# KiCad board 2000ATX.kicad_pcb (continued)
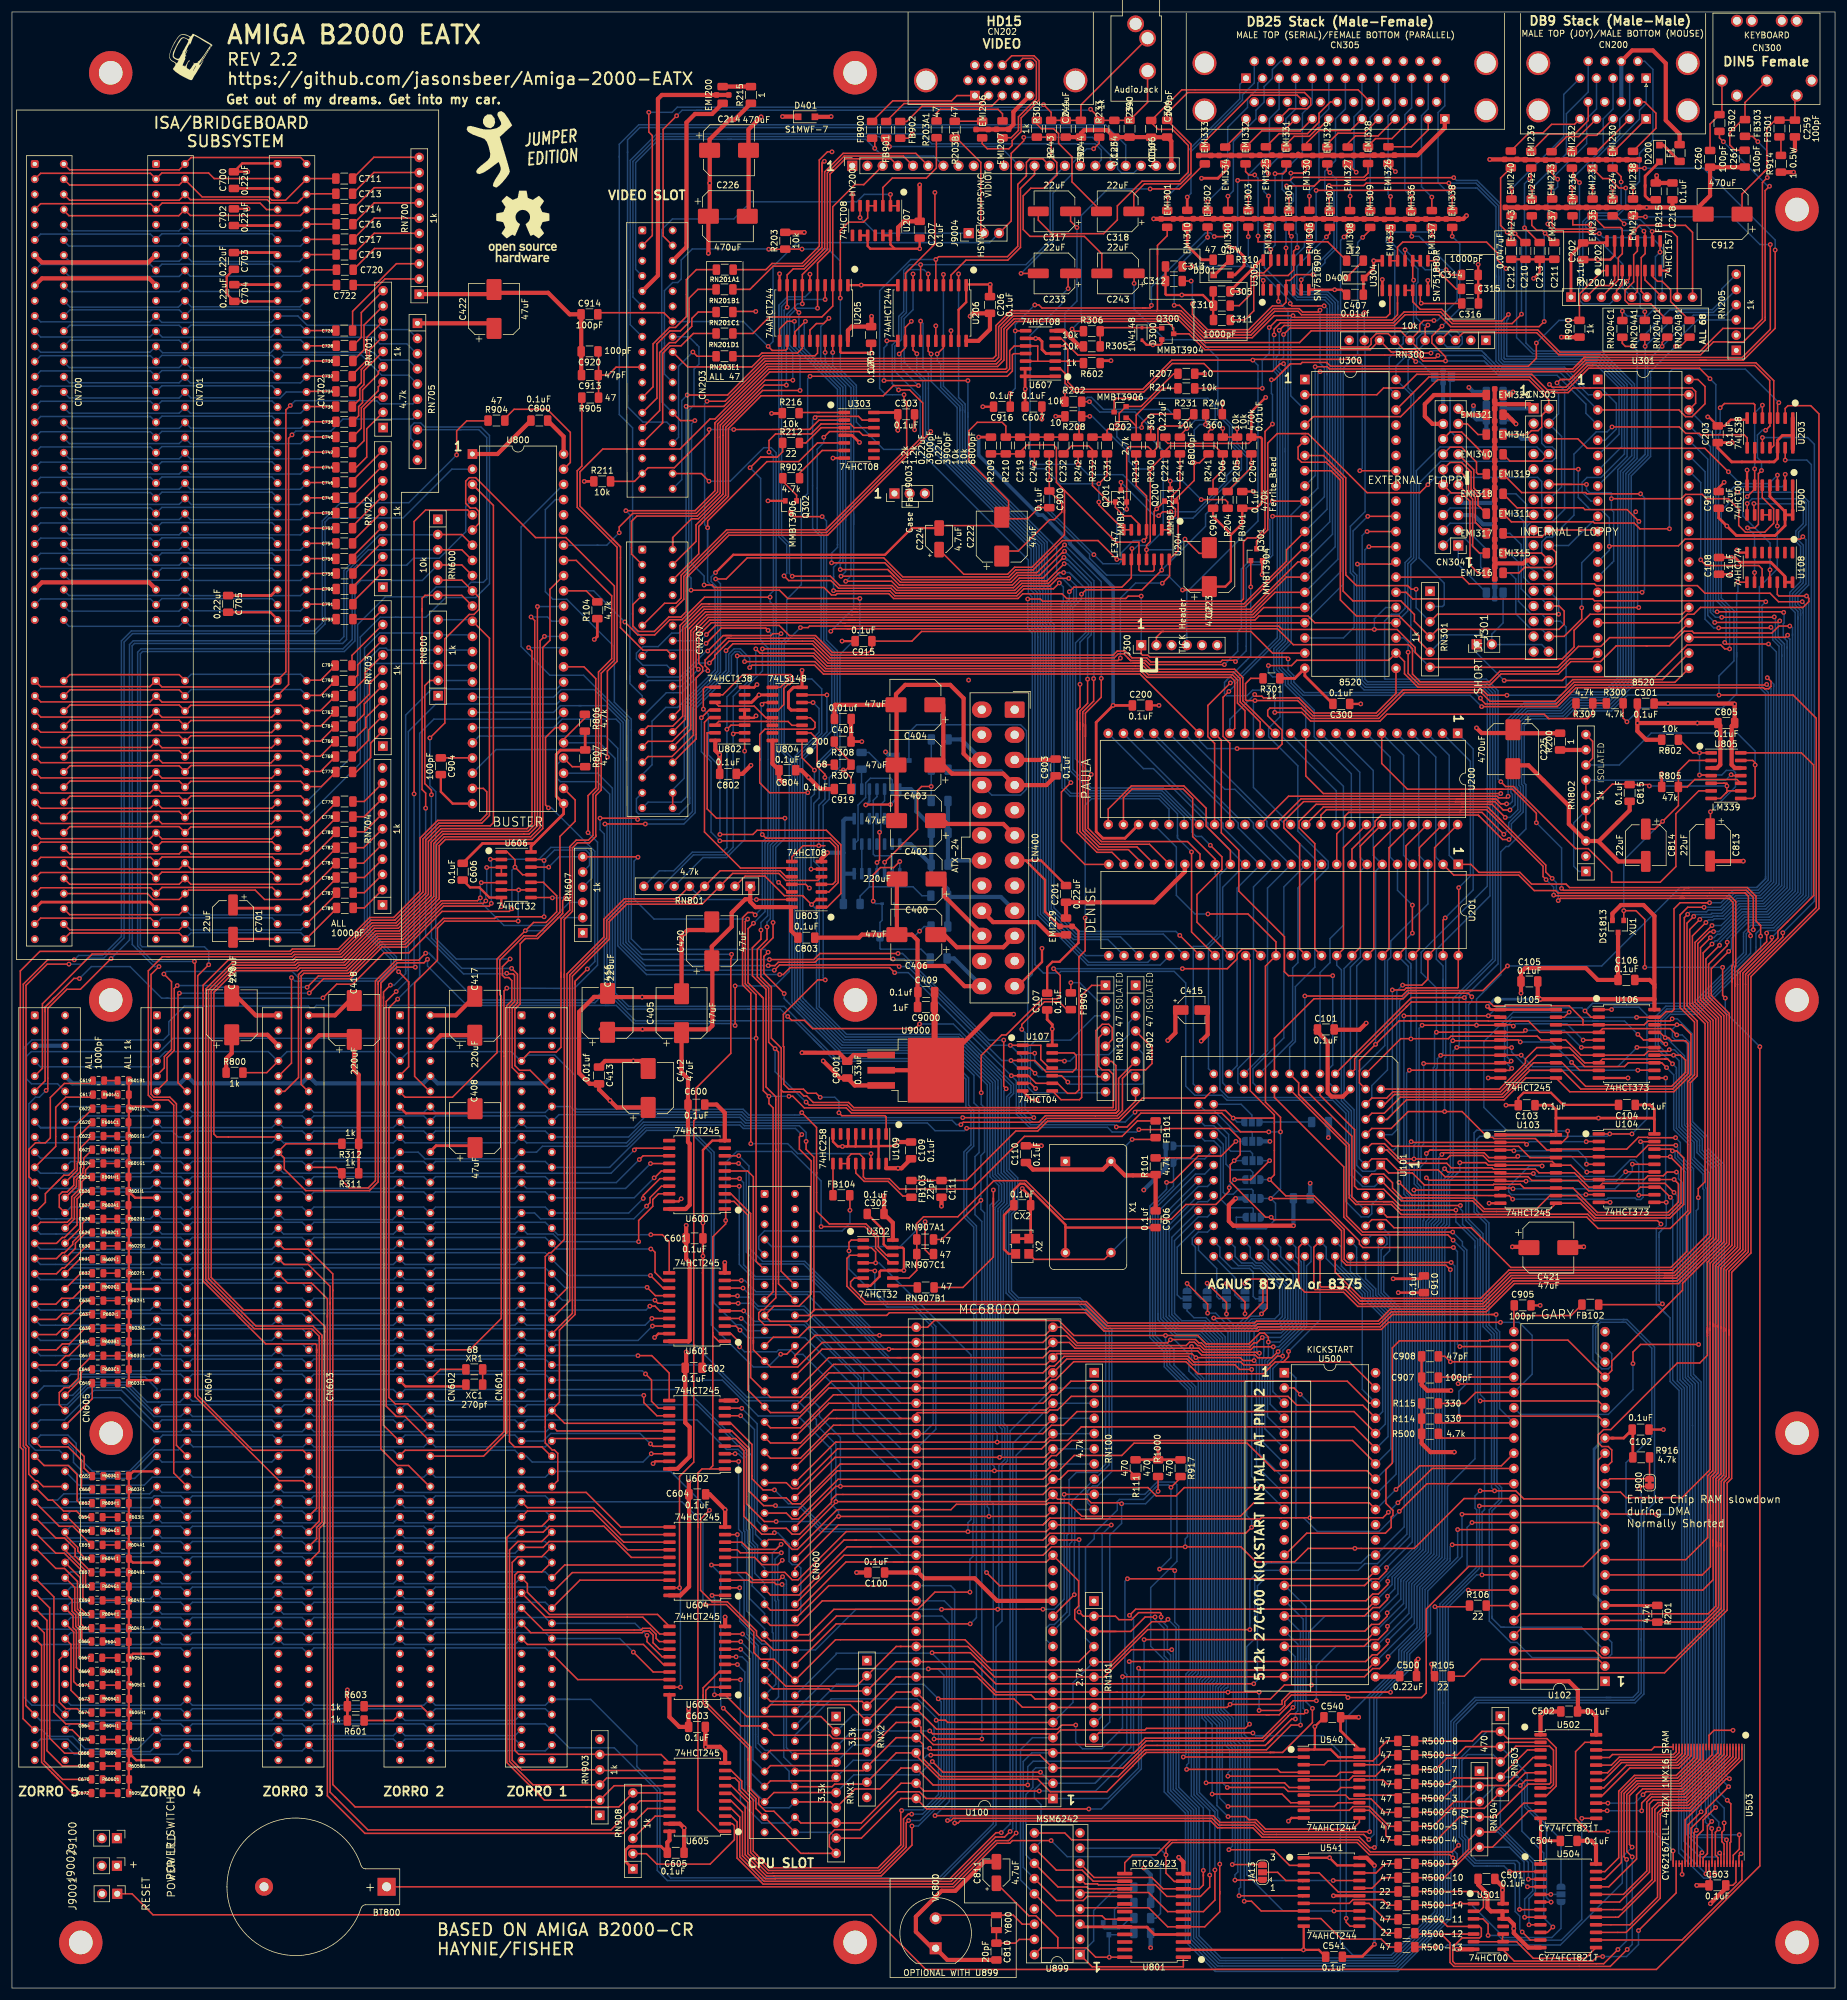
[diagram p0: board, top side]
## Routing (per net, layer and track width the routed paths; a pad name or vN(x,y) marks a point on that pad's centre or on a via; arc(x,y) is an arc through that point) (continued)
  Bottom w0.25: 49.21,228.57 48.23,227.59 29.82,227.59 28.89,228.52 27.91,227.54 9.55,227.54 8.62,228.47
Net-(C794-Pad1): length 9
  Top w0.25: RN703.9 56.85,222.68 C794.1
Net-(C794-Pad2): length 48.1
  Top w0.25: 28.93,218.49 27.95,219.47 9.69,219.47 CN700.C1 ; 49.25,218.54 51.61,218.54 C794.2
  Bottom w0.25: 49.25,218.54 48.27,219.52 29.96,219.52 28.93,218.49
Net-(C796-Pad1): length 9
  Top w0.25: C796.1 57.8,219.39 57.8,221.09 RN703.8
Net-(C796-Pad2): length 48.1
  Top w0.25: 28.93,215.95 27.95,216.93 9.69,216.93 CN700.C2 ; 49.25,216 51.61,216 C796.2
  Bottom w0.25: 49.25,216 48.27,216.98 29.96,216.98 28.93,215.95
Net-(C810-Pad1): length 8.8
  Top w0.25: U899.17 168.4,8.13 167.77,7.5 C810.1 Y800.1
Net-(C813-Pad1): length 29.7
  Top w0.25: U805.4 283.99,202.69 v1(282.14,202.69) ; R802.1 278.84,208.58 281.03,206.4 v1(282.14,206.4) U805.1 ; C813.1 283.97,193.76 v1(283.97,196.55)
  Bottom w0.25: v1(283.97,196.55) 288.15,200.72 288.15,203.09 287.77,203.47 286.63,203.47 285.85,202.69 v1(282.14,202.69) v1(282.14,206.4)
Net-(C815-Pad1): length 50.7
  Top w0.25: 286.36,201.32 286.21,201.32 ; 286.21,201.32 286.72,201.32 v1(286.72,200.86) 286.72,199.85 286.51,199.64 ; 286.21,201.32 U805.5 ; 286.51,199.64 285.65,198.78 U805.7 ; 286.51,199.64 286.92,200.05 U805.9 ; RN802.4 RN802.5 ; RN802.5 267.56,201.17 270.39,201.17 C815.1 273.53,201.09 v1(273.76,200.86) ; RN802.5 263.14,196.8
  Bottom w0.25: RN802.5 261.11,194.72 261.11,187.45 261.98,186.59 RN802.1 ; v1(286.72,200.86) v1(273.76,200.86)
Net-(C905-Pad1): length 16.6
  Top w0.25: C905.1 251.1,114 251.1,112.37 ; 251.1,112.37 260.65,112.37 FB102.2 ; 251.1,112.37 U102.25
Net-(C919-Pad1): length 327.1
  Top w0.25: R308.2 137.49,207.6 140.29,204.8 R307.1 139.4,203.53 v1(139,203.53) 140.29,202.25 C919.1
  In1.Cu w0.25: 1.02,43.43 1.02,37.85 ; 1.02,43.43 1.02,140.87 3.34,143.19 99.75,143.19 117.29,160.74 117.29,166.57 131.07,180.35 131.07,195.6 v1(139,203.53) ; 1.02,43.43 1.02,42.86 ; 1.02,37.85 1.02,37.34 ; 1.02,37.85 1.02,21.03 3.96,18.08 15.21,18.08 J9002.1 ; 17.5,20.42 16.94,19.86
Net-(C9103-Pad1): length 16.6
  Bottom w0.25: R9103.2 152.14,182.52 150.64,184.02 143.35,184.02 ; 143.35,184.02 141.8,182.47 C9103.1 ; 143.35,184.02 U9101.5
Net-(C9104-Pad1): length 30.2
  Top w0.25: v1(143.99,181.62) 143.99,186.01 145.2,187.23 147.42,187.23 v1(148.43,188.24)
  Bottom w0.25: U9101.1 v1(148.43,188.24) ; C9104.1 151.99,173.6 145.22,173.6 145.12,173.7 R9101.1 145.12,178.07 145.48,178.43 D9100.1 144.41,181.2 v1(143.99,181.62)
Net-(C9105-Pad1): length 29
  Top w0.25: v1(145.9,188.13) 151.4,193.62 151.4,200.1 152.08,200.78 v1(153.69,200.78)
  Bottom w0.25: v1(145.9,188.13) 145.9,186.21 U9101.3 ; C9105.1 v1(153.69,200.78) 153.69,203.57 R9102.2 153.7,208.64 R9105.1
Net-(CN200-Pad1): length 22.7
  Top w0.25: v1(267.61,300.79) 267.61,298.73
  Bottom w0.25: v1(267.61,300.79) 267.61,307.82 272.1,312.31 272.1,313.76 273.23,314.89 CN200.1
Net-(CN200-Pad2): length 23.1
  Top w0.25: v1(264.26,300.84) 264.26,298.78
  Bottom w0.25: 264.26,304.2 264.26,305.11 268.81,309.66 268.81,312.35 270.46,313.99 CN200.2 ; 264.26,304.2 v1(264.26,300.84) ; 264.26,304.2 264.26,304.38
Net-(CN200-Pad3): length 23.5
  Top w0.25: v1(260.86,300.89) 260.86,298.83 260.91,298.78
  Bottom w0.25: 261.04,301.07 v1(260.86,300.89) 260.86,302.34 266.04,307.52 266.04,312.35 267.69,313.99 CN200.3
Net-(CN200-Pad4): length 23.7
  Top w0.25: 257.51,298.83 257.35,298.99 v1(257.35,300.99)
  Bottom w0.25: 257.51,300.84 v1(257.35,300.99) 257.35,302.27 263.27,308.19 263.27,312.35 264.92,313.99 CN200.4
Net-(CN200-Pad5): length 25.5
  Top w0.25: v1(250.75,300.69) 250.75,298.99 EMI243.2
  Bottom w0.25: 253.74,303.67 259.44,309.37 259.44,316.42 CN200.5 ; 253.74,303.67 254.13,304.06 ; 253.74,303.67 v1(250.75,300.69)
Net-(CN200-Pad9): length 27.6
  Top w0.25: 254.1,298.88 254.18,298.96 v1(254.18,300.81)
  Bottom w0.25: v1(254.18,300.81) 254.15,300.79 ; v1(254.18,300.81) 254.58,301.21 ; v1(254.18,300.81) 259.89,306.52 259.89,313.19 263.53,316.83 CN200.9
Net-(CN200-Pad10): length 8.6
  Top w0.25: CN200.10 267.81,306.91 EMI230.2 267.1,307.42
Net-(CN200-Pad11): length 8.6
  Top w0.25: CN200.11 265.04,306.91 EMI231.2 264.1,307.02
Net-(CN200-Pad12): length 9.1
  Top w0.25: 260.81,306.92 EMI232.2 263.48,309.59 264.94,309.59 CN200.12
Net-(CN200-Pad13): length 9.8
  Top w0.25: EMI233.2 259.92,309.37 261.96,309.37 CN200.13
Net-(CN200-Pad14): length 13.8
  Top w0.25: EMI240.1 253.65,310.01 256,310.01 257.41,311.42 261.24,311.42 CN200.14
Net-(CN200-Pad15): length 11.8
  Top w0.25: EMI238.1 271.02,306.92 274.86,310.76 274.86,313.28 272.97,315.17 CN200.15
Net-(CN200-Pad18): length 14.8
  Top w0.25: EMI239.1 256.91,309.82 261.31,309.82 263.53,312.05 CN200.18
Net-(CN202-Pad1): length 19
  Top w0.25: CN202.1 157.99,316.23 157.11,315.35 147.25,315.35 FB900.1
Net-(CN202-Pad2): length 18.9
  Top w0.25: FB901.1 149.15,314.9 161.95,314.9 CN202.2
Net-(CN202-Pad3): length 18.9
  Top w0.25: CN202.3 163.79,314.45 152.15,314.45 149.6,311.9 FB902.1
Net-(CN202-Pad13): length 29.7
  Top w0.25: CN202.13 167.14,322.89 170.87,322.89 171.72,322.04 171.72,315.5 168.73,312.51 168.73,310.22 167.22,308.71 167.22,307.89 166.67,307.34 163.07,307.34 162.2,308.2 EMI206.2
Net-(CN202-Pad14): length 20
  Top w0.25: CN202.14 168.98,322.44 170.69,322.44 171.27,321.85 171.27,315.69 168.28,312.69 168.28,310.41 167.06,309.19 EMI207.2
Net-(CN203-Pad23): length 29.1
  Top w0.25: RN201A1.2 114.43,287.15 112.75,285.47 112.75,279.3 110.94,277.49 109.94,277.49 107.19,274.74 107.19,267.57 CN203.23
Net-(CN203-Pad25): length 28.5
  Top w0.25: RN201B1.2 114.68,283.85 113.21,282.37 113.21,278.36 111.75,276.91 109.99,276.91 107.84,274.75 107.84,265.68 CN203.25
Net-(CN203-Pad27): length 26.8
  Top w0.25: CN203.27 108.29,263.59 108.29,273.29 109.94,274.95 110.94,274.95 113.66,277.67 113.66,278.99 114.73,280.06 RN201C1.2
Net-(CN203-Pad29): length 26.7
  Top w0.25: RN201D1.2 113.92,276.48 111.86,274.41 110.04,274.41 108.79,273.16 108.79,261.55 CN203.29
Net-(CN203-Pad33): length 43.8
  Top w0.25: 139.08,262.08 139.16,262 134.93,262 133.38,260.45 v1(120.68,260.43) ; R211.2 104.08,251.76 CN203.33 106.36,254.05 110.75,254.05 116.56,259.86 v1(116.56,260.43)
  Bottom w0.25: v1(120.68,260.43) v1(116.56,260.43)
Net-(CN304-Pad1): length 9.8
  Bottom w0.25: CN304.1 241.81,237.87 EMI322.2
Net-(CN304-Pad2): length 11.4
  Bottom w0.25: EMI313.2 245.55,237.42 245.55,239.59 242.92,242.22 240.44,242.22 CN304.2
Net-(CN304-Pad3): length 6.6
  Bottom w0.25: CN304.3 243.33,243.59 246.5,240.41 EMI323.2
Net-(CN304-Pad4): length 8.4
  Bottom w0.25: CN304.4 240.44,244.76 244.82,244.76 EMI324.2
Net-(CN304-Pad6): length 8.1
  Bottom w0.25: CN304.6 240.44,247.3 245.58,247.3 EMI339.2
Net-(CN304-Pad8): length 7.8
  Bottom w0.25: CN304.8 240.44,249.84 246.34,249.84 EMI314.2
Net-(CN304-Pad9): length 14.7
  Top w0.25: EMI315.2 245.36,239.78 244.21,240.93 244.21,248.8 CN304.9 242.43,251.21
Net-(CN304-Pad10): length 19.6
  Top w0.25: EMI316.2 245.11,236.47 243.76,237.82 243.76,248.45 242.37,249.84 240.63,249.84 CN304.10
Net-(CN304-Pad11): length 12.6
  Top w0.25: EMI317.2 244.66,244.92 244.66,249.11 243.51,250.27 243.51,252.05 CN304.11
Net-(CN304-Pad12): length 13.8
  Top w0.25: CN304.12 240.44,254.92 242.37,254.92 243.96,253.34 243.96,250.45 245.11,249.3 245.11,247.77 EMI311.2
Net-(CN304-Pad13): length 9.2
  Top w0.25: EMI318.2 245.36,249.68 244.41,250.64 244.41,253.69 CN304.13
Net-(CN304-Pad14): length 10.6
  Top w0.25: EMI319.2 245.11,252.98 244.86,253.24 244.86,254.98 242.37,257.46 240.44,257.46 CN304.14
Net-(CN304-Pad15): length 11.1
  Bottom w0.25: CN304.15 240.44,260.19 240.44,269.02 EMI312.2
Net-(CN304-Pad16): length 9.8
  Top w0.25: 244.71,257.66 246.09,256.29 EMI340.2 ; 244.71,257.66 242.37,260 240.44,260 CN304.16 ; 244.71,257.66 245.11,257.26
Net-(CN304-Pad17): length 5.4
  Top w0.25: CN304.17 243.33,261.37 245.11,259.59 EMI341.2
Net-(CN304-Pad18): length 16.5
  Top w0.7: EMI320.2 237.74,266.19 236.22,264.67 236.22,262.64 237.49,261.37 CN304.18
Net-(CN304-Pad19): length 5.1
  Top w0.7: CN304.19 242.82,262.89 EMI321.2
Net-(CN305-Pad1): length 27.6
  Top w0.25: v1(193.19,299.36) 193.19,297.08 EMI301.2
  Bottom w0.25: v1(193.19,299.36) 196.67,302.84 196.67,307.06 205.28,315.67 205.28,318.09 CN305.1
Net-(CN305-Pad2): length 26
  Top w0.25: EMI302.2 v1(199.9,298.5)
  Bottom w0.25: 203.34,301.95 203.26,301.86 ; 203.26,301.86 203.26,310.94 206.57,314.25 206.57,315.7 208.28,317.41 208.28,318.33 CN305.2 ; 203.26,301.86 v1(199.9,298.5)
Net-(CN305-Pad3): length 24.7
  Top w0.25: v1(206.71,299.47) EMI303.2
  Bottom w0.25: 206.5,299.67 v1(206.71,299.47) 206.71,302.98 208.82,305.09 ; CN305.3 211.85,313.99 210.23,312.37 210.23,306.51 208.82,305.09 ; 208.98,305.25 208.82,305.09
Net-(CN305-Pad4): length 24.8
  Top w0.25: EMI304.2 210.11,299.42 v1(210.08,299.44)
  Bottom w0.25: 210.11,299.42 v1(210.08,299.44) 209.33,300.19 209.33,303.52 ; 209.33,303.52 212.98,307.17 212.98,312.35 214.62,313.99 CN305.4 ; 209.33,303.52 209.43,303.62
Net-(CN305-Pad5): length 24.6
  Top w0.25: v1(213.51,299.42) EMI305.2
  Bottom w0.25: v1(213.51,299.42) 212.37,300.56 212.37,303.29 215.75,306.67 215.75,313.24 217.39,314.88 CN305.5
Net-(CN305-Pad6): length 23.4
  Top w0.25: EMI306.2 v1(216.92,299.42)
  Bottom w0.25: CN305.6 220.16,314 218.52,312.36 218.52,301.94 216.92,300.34 v1(216.92,299.42)
Net-(CN305-Pad7): length 24
  Top w0.25: v1(220.24,299.54) 220.24,297.08 EMI307.2
  Bottom w0.25: 220.32,299.47 v1(220.24,299.54) 219.49,300.29 219.49,303.57 221.28,305.36 221.28,312.34 222.93,313.99 CN305.7
Net-(CN305-Pad8): length 22.9
  Top w0.25: EMI308.2 v1(223.72,299.42)
  Bottom w0.25: v1(223.72,299.42) 223.72,303.49 224.37,304.14 224.37,312.66 225.7,313.99 CN305.8
Net-(CN305-Pad9): length 22.7
  Top w0.25: v1(227.08,299.42) EMI309.2
  Bottom w0.25: v1(227.08,299.42) 227.08,312.6 228.47,313.99 CN305.9
Net-(CN305-Pad10): length 22.8
  Top w0.25: EMI335.2 v1(230.48,299.36)
  Bottom w0.25: v1(230.48,299.36) 230.08,299.76 230.08,312.83 231.24,313.99 CN305.10
Net-(CN305-Pad11): length 23.1
  Top w0.25: v1(233.93,299.36) EMI336.2
  Bottom w0.25: v1(233.93,299.36) 232.87,300.42 232.87,313.04 234.01,314.18 CN305.11
Net-(CN305-Pad12): length 23.3
  Top w0.25: EMI337.2 v1(237.39,299.26)
  Bottom w0.25: v1(237.39,299.26) 235.66,300.99 235.66,312.87 236.78,313.99 CN305.12
Net-(CN305-Pad13): length 23.6
  Top w0.25: v1(240.79,299.31) EMI338.2
  Bottom w0.25: v1(240.79,299.31) 238.43,301.68 238.43,313.39 239.55,314.51 CN305.13
Net-(CN305-Pad14): length 29.6
  Top w0.457: v1(196.49,299.26) EMI310.1
  Bottom w0.25: CN305.14 207.7,318.33 205.73,316.36 205.73,315.49 197.12,306.88 197.12,299.89 v1(196.49,299.26)
Net-(CN305-Pad16): length 29.7
  Top w0.25: v1(203.3,299.42) EMI300.1
  Bottom w0.25: CN305.16 212.11,321.97 210.73,320.59 210.73,319.11 209.34,317.72 209.34,315.14 207.98,313.78 207.98,312.33 204.2,308.55 204.2,300.32 v1(203.3,299.42)
Net-(CN305-Pad27): length 9.7
  Top w0.25: EMI326.2 233.95,307.67 236.78,310.51 CN305.27
Net-(CN305-Pad28): length 9.3
  Top w0.25: CN305.28 230.71,309.04 227.97,309.04 226.72,307.79 EMI328.2
Net-(CN305-Pad29): length 10.8
  Top w0.25: CN305.29 228.41,309.49 224.62,309.49 223.32,308.19 EMI327.2 223.86,307.62
Net-(CN305-Pad30): length 10.8
  Top w0.25: EMI329.2 219.91,308.16 221.7,309.94 226.09,309.94 CN305.30
Net-(CN305-Pad31): length 11.6
  Top w0.25: EMI330.2 216.46,308.33 218.52,310.39 223.77,310.39 CN305.31
Net-(CN305-Pad33): length 9.3
  Top w0.25: CN305.33 218.67,310.84 218.33,310.84 216.91,309.42 214.37,309.42 213.06,308.11 EMI331.2
Net-(CN305-Pad34): length 13.7
  Top w0.25: 206.25,308.18 EMI332.1 208.95,310.32 215.39,310.32 CN305.34
Net-(CN305-Pad35): length 13.8
  Top w0.25: 202.92,307.62 EMI334.1 205.99,310.77 213.07,310.77 CN305.35
Net-(CN305-Pad45): length 15.9
  Top w0.25: EMI325.2 211.85,309.87 216.6,309.87 218.52,311.79 218.52,313.26 220.42,315.16 CN305.45
Net-(CN305-Pad47): length 21.2
  Top w0.25: EMI333.1 199.44,308.57 207.16,316.29 214.88,316.29 CN305.47
Net-(CN601-Pad97): length 85.5
  Bottom w0.25: 85.06,40.61 84.08,41.59 65.72,41.59 64.74,40.61 63.76,41.59 45.4,41.59 44.42,40.61 43.44,41.59 25.08,41.59 24.1,40.61 ; CN604.97 23.12,39.5 11.45,39.5 9.36,41.59 4.79,41.59 CN605.97
Net-(CN601-Pad98): length 85.1
  Bottom w0.25: 29.18,40.61 30.16,39.63 48.52,39.63 49.5,40.61 50.48,39.63 68.84,39.63 69.82,40.61 70.8,39.63 89.16,39.63 90.14,40.61 ; CN604.98 27.75,39.05 10.45,39.05 CN605.98
Net-(CN700-PadA1): length 42.2
  Top w0.25: 49.25,304.9 48.27,305.88 29.96,305.88 28.93,304.85 ; CN700.A1 9.64,303.82 27.95,303.82 CN701.A1
Net-(CN700-PadA10): length 42.4
  Bottom w0.25: CN700.A10 9.72,280.88 27.82,280.88 28.93,281.99 29.99,280.93 48.14,280.93 49.25,282.04
Net-(CN700-PadA11): length 42.3
  Bottom w0.25: 49.25,279.5 48.27,280.48 29.96,280.48 28.93,279.45 27.95,280.43 9.69,280.43 CN700.A11
Net-(CN700-PadB2): length 42.2
  Top w0.25: 44.4,302.36 33.81,302.36 32.88,303.29 25.06,303.29 24.08,302.31 23.15,303.24 4.79,303.24 CN700.B2
Net-(CN700-PadB4): length 42.3
  Top w0.25: CN700.B4 4.79,298.16 23.15,298.16 24.08,297.23 25.11,298.26 41.49,298.26 42.57,297.18 CN702.B4
Net-(CN700-PadB6): length 42.2
  Bottom w0.25: CN700.B6 4.79,293.08 23.15,293.08 24.08,292.15 25.06,293.13 43.47,293.13 44.4,292.2
Net-(CN700-PadB8): length 42.2
  Bottom w0.25: 44.4,287.12 43.47,288.05 25.06,288.05 24.08,287.07 23.15,288 4.79,288 CN700.B8
Net-(CN700-PadB11): length 67.2
  Bottom w0.25: 24.08,279.45 23.05,278.42 4.79,278.42 CN700.B11 ; 44.38,279.36 43.35,278.33 25.04,278.33 24.06,279.31 ; RN705.2 66.31,277.12 61.79,277.12 61.07,277.84 49.36,277.84 47.8,279.4 CN702.B11
Net-(CN700-PadB12): length 67.3
  Bottom w0.25: CN700.B12 4.79,275.88 23.05,275.88 24.08,276.91 25.14,275.85 43.29,275.85 44.4,276.96 ; 44.4,276.83 45.38,275.85 60.4,275.85 61.51,274.74 66.02,274.74 67.79,272.97
Net-(CN700-PadB13): length 67.3
  Bottom w0.25: CN700.B13 4.79,273.34 23.05,273.34 24.08,274.37 25.19,273.26 43.24,273.26 44.4,274.42 ; 44.4,274.29 45.38,273.31 60.4,273.31 61.68,272.04 66.31,272.04 RN705.4
Net-(CN700-PadB14): length 68.2
  Bottom w0.25: 60.4,270.9 60.56,270.74 ; 60.56,270.74 61.8,269.5 66.31,269.5 RN705.5 ; 60.56,270.74 58.44,272.86 45.38,272.86 44.4,271.88 43.47,272.81 25.06,272.81 24.08,271.83 23.15,272.76 4.79,272.76 CN700.B14
Net-(CN700-PadB15): length 42.2
  Bottom w0.25: CN700.B15 4.79,270.22 23.15,270.22 24.08,269.29 25.06,270.27 43.47,270.27 44.4,269.34
Net-(CN700-PadB16): length 42.2
  Bottom w0.25: CN700.B16 4.79,267.68 23.15,267.68 24.08,266.75 25.06,267.73 43.47,267.73 44.4,266.8
Net-(CN700-PadB17): length 42.2
  Bottom w0.25: CN700.B17 4.79,265.14 23.15,265.14 24.08,264.21 25.06,265.19 43.47,265.19 44.4,264.26
Net-(CN700-PadB18): length 42.2
  Bottom w0.25: CN700.B18 4.79,262.6 23.15,262.6 24.08,261.67 25.06,262.65 43.47,262.65 44.4,261.72
Net-(CN700-PadB19): length 42.2
  Bottom w0.25: CN700.B19 4.79,260.06 23.15,260.06 24.08,259.13 25.06,260.11 43.47,260.11 44.4,259.18
Net-(CN700-PadB20): length 42.2
  Bottom w0.25: CN700.B20 4.79,257.52 23.15,257.52 24.08,256.59 25.06,257.57 43.47,257.57 44.4,256.64
Net-(CN700-PadB21): length 42.2
  Bottom w0.25: CN700.B21 4.79,254.98 23.15,254.98 24.08,254.05 25.06,255.03 43.47,255.03 44.4,254.1
Net-(CN700-PadB22): length 42.2
  Bottom w0.25: CN700.B22 4.79,252.44 23.15,252.44 24.08,251.51 25.06,252.49 43.47,252.49 44.4,251.56
Net-(CN700-PadB23): length 42.2
  Bottom w0.25: 44.4,249.02 43.47,249.95 25.06,249.95 24.08,248.97 23.15,249.9 4.79,249.9 CN700.B23
Net-(CN700-PadB24): length 42.2
  Bottom w0.25: 44.4,246.48 43.47,247.41 25.06,247.41 24.08,246.43 23.15,247.36 4.79,247.36 CN700.B24
Net-(CN700-PadB25): length 42.2
  Bottom w0.25: 44.4,243.94 43.47,244.87 25.06,244.87 24.08,243.89 23.15,244.82 4.79,244.82 CN700.B25
Net-(CN700-PadB26): length 42.2
  Bottom w0.25: 44.4,241.4 43.47,242.33 25.06,242.33 24.08,241.35 23.15,242.28 4.79,242.28 CN700.B26
Net-(CN700-PadB27): length 42.2
  Bottom w0.25: 44.4,238.86 43.47,239.79 25.06,239.79 24.08,238.81 23.15,239.74 4.79,239.74 CN700.B27
Net-(CN700-PadB28): length 42.2
  Bottom w0.25: 44.4,236.32 43.47,237.25 25.06,237.25 24.08,236.27 23.15,237.2 4.79,237.2 CN700.B28
Net-(CN700-PadB30): length 42.2
  Bottom w0.25: CN700.B30 4.79,232.12 23.15,232.12 24.08,231.19 25.06,232.17 43.47,232.17 44.4,231.24
Net-(CN700-PadC9): length 136.9
  Top w0.25: CN700.C9 9.69,199.15 27.95,199.15 28.93,198.17 29.96,199.2 48.27,199.2 49.25,198.22
  Bottom w0.25: 77.1,234.89 76.74,234.89 75.98,234.13 70.93,234.13 69.27,232.46 62.42,232.46 57.78,227.83 57.78,206.76 49.25,198.22 ; 77.1,234.89 77.53,234.89 ; 77.1,234.89 78.81,234.89 79.38,235.47 79.38,259.07 78.05,260.4 74.55,260.4 ; 74.55,260.4 RN705.8 ; 74.55,260.4 75.11,260.4
Net-(CN700-PadC10): length 144.9
  Top w0.25: CN700.C10 9.69,196.61 27.95,196.61 28.93,195.63 29.96,196.66 48.27,196.66 49.25,195.68
  Bottom w0.25: 74.81,260.85 69.01,260.85 68.33,261.53 67.25,261.53 66.67,260.94 66.67,258.99 RN705.9 ; 74.81,260.85 75.29,260.85 ; 74.81,260.85 78.42,260.85 79.83,259.44 79.83,234.65 78.57,233.39 78.56,233.39 77.53,232.35 72.5,232.35 69.2,229.06 64.08,229.06 ; 64.08,229.06 61.56,229.06 58.23,225.74 58.23,204.67 49.25,195.68 ; 64.08,229.06 64.59,229.06
Net-(CN700-PadD1): length 111.2
  Top w0.25: 46.56,264.46 v1(46.53,264.44) 45.8,263.7 45.8,219.94 44.4,218.54 ; 24.08,218.4 25.06,217.42 43.37,217.42 44.4,218.45 ; CN700.D1 4.79,217.46 23.05,217.46 24.08,218.49
  Bottom w0.25: v1(46.53,264.44) 47.34,265.24 60.98,265.24 61.51,264.71 67.02,264.71 RN705.6
Net-(CN700-PadD2): length 109.2
  Top w0.25: v1(46.81,259.54) 46.25,258.97 46.25,217.82 44.42,216 ; 24.1,215.86 25.08,214.88 43.39,214.88 44.42,215.91 ; CN700.D2 4.82,214.92 23.07,214.92 24.1,215.95
  Bottom w0.25: RN705.7 67.02,262.17 55.34,262.17 53.33,260.16 47.44,260.16 v1(46.81,259.54)
Net-(CN700-PadD3): length 42.3
  Top w0.25: 24.1,213.32 25.08,212.34 43.39,212.34 44.42,213.37 ; CN700.D3 4.82,212.38 23.07,212.38 24.1,213.41
Net-(CN700-PadD4): length 42.3
  Top w0.25: 24.1,210.78 25.08,209.8 43.39,209.8 44.42,210.83 ; CN700.D4 4.82,209.84 23.07,209.84 24.1,210.87
Net-(CN700-PadD5): length 42.3
  Top w0.25: 24.1,208.24 25.08,207.26 43.39,207.26 44.42,208.29 ; CN700.D5 4.82,207.3 23.07,207.3 24.1,208.33
Net-(CN700-PadD6): length 42.3
  Top w0.25: 44.42,205.84 43.31,204.73 25.16,204.73 24.1,205.79 23.07,204.76 4.82,204.76 CN700.D6
Net-(CN700-PadD7): length 42.3
  Top w0.25: 24.1,203.16 25.08,202.18 43.39,202.18 44.42,203.21 ; CN700.D7 4.82,202.22 23.07,202.22 24.1,203.25
Net-(CN700-PadD8): length 42.2
  Top w0.25: CN700.D8 4.79,199.68 23.05,199.68 24.08,200.71 ; CN702.D8 43.42,199.68 25.06,199.68 CN701.D8
Net-(CN700-PadD9): length 42.2
  Top w0.25: CN700.D9 4.82,197.14 23.07,197.14 24.1,198.17 ; CN702.D9 43.44,197.14 25.08,197.14 CN701.D9
Net-(CN700-PadD10): length 42.3
  Top w0.25: 24.1,195.54 25.08,194.56 43.39,194.56 44.42,195.6 ; CN700.D10 4.82,194.6 23.07,194.6 24.1,195.63
Net-(CN700-PadD11): length 42.3
  Top w0.25: 24.1,193 25.08,192.02 43.39,192.02 44.42,193.06 ; CN700.D11 4.82,192.06 23.07,192.06 24.1,193.09
Net-(CN700-PadD12): length 42.2
  Top w0.25: CN700.D12 4.82,191.48 23.18,191.48 24.1,190.55 25.08,191.53 43.5,191.53 44.42,190.6
Net-(CN700-PadD13): length 42.2
  Top w0.25: CN700.D13 4.82,188.94 23.18,188.94 24.1,188.01 25.08,188.99 43.5,188.99 44.42,188.06
Net-(CN700-PadD14): length 42.2
  Top w0.25: CN700.D14 4.79,186.4 23.15,186.4 24.08,185.47 25.06,186.45 43.47,186.45 44.4,185.52
Net-(CN700-PadD15): length 42.2
  Top w0.25: CN700.D15 4.82,183.86 23.18,183.86 24.1,182.93 25.08,183.91 43.5,183.91 44.42,182.98
Net-(CN700-PadD17): length 42.2
  Top w0.25: CN700.D17 4.79,178.78 23.15,178.78 24.08,177.85
  Bottom w0.25: 44.4,177.9 43.47,178.83 25.06,178.83 24.08,177.85
Net-(D200-Pad1): length 4.5
  Top w0.457: F1.1 276.09,307.95 D200.1
Net-(D200-Pad2): length 9
  Top w0.25: D200.2 275.43,305.15
  Top w0.457: 273.05,301.24 273.05,300.99 ; 273.05,301.24 273.05,302.77 275.43,305.15 ; 273.05,301.24 273.05,299.47 273.69,298.83 FB215.2
Net-(D300-Pad1): length 13.1
  Top w0.25: R305.1 R306.2 182.54,277.45 D300.1 192.14,277.45 Q300.1
Net-(D301-Pad1): length 3.8
  Top w0.25: D301.1 201.09,286.26
  Top w0.457: 201.09,286.26 R310.2
Net-(D400-Pad1): length 4
  Top w0.25: F2.1 223.27,285.98 D400.1
  Top w0.457: 225.95,288.63 F2.1
Net-(D401-Pad2): length 77
  Top w0.25: 136.91,312.67 v1(136.96,312.72)
  Top w0.457: EMI334.2 202.84,303.63 201.63,302.41 v1(198.88,302.41)
  Top w0.7: D401.2 136.91,312.67
  In2.Cu w0.6: 198.97,302.41 v1(198.88,302.41)
  In2.Cu w0.7: v1(198.88,302.41) 198.88,306.3 192.46,312.72 v1(136.96,312.72)
Net-(D800-Pad1): length 6.8
  Bottom w0.25: R803.2 186.94,11.68 185.17,9.91 182.63,9.91 182.44,10.09 D800.1
Net-(D800-Pad2): length 5.9
  Bottom w0.25: R801.2 185.42,14.22 184.34,13.14 D800.2
Net-(D9100-Pad2): length 310
  In1.Cu w0.25: 1.47,44.52 1.47,31.12 4.37,28.22 17.55,28.22 J9100.1 ; 1.47,44.52 1.47,44 ; 1.47,44.52 1.47,138.78 3.92,141.23 98.95,141.23 118.05,160.34 118.05,166.12 126.72,174.78 149.92,174.78 v1(151.75,176.61)
  Bottom w0.25: R9100.2 152.51,177.37 v1(151.75,176.61) 150.89,175.75 R9101.2 147.92,178.76 147.58,179.1 D9100.2
Net-(EMI200-Pad2): length 5.6
  Top w0.7: 118.36,317.73 123.95,317.73
Net-(EMI206-Pad1): length 4.6
  Top w0.25: EMI206.1 162.18,311.94 R203B1.1
Net-(EMI207-Pad1): length 14.1
  Top w0.25: EMI207.1 165.61,313.18 164.85,313.94 155.19,313.94 154.58,313.33 R203A1.1
Net-(EMI230-Pad1): length 35
  Top w0.25: v1(269.04,301.8) 269.04,302.69 EMI230.1 ; U202.2 267.94,285.4 267.03,284.48 265.13,284.48 RN200.2
  Bottom w0.25: v1(269.04,301.8) 269.04,297.41 268.24,296.61 264.07,296.61 262.63,295.17 262.63,283.12 RN200.2
Net-(EMI231-Pad1): length 42.3
  Top w0.25: U202.5 271.75,283.49 RN200.5 ; v1(269.8,300.79) 268.69,300.79 267.11,302.36 265.96,302.36 EMI231.1
  Bottom w0.25: v1(269.8,300.79) 269.8,297.54 268.43,296.16 264.26,296.16 263.08,294.99 263.08,294.29 269.28,288.09 269.28,284.09 ; RN200.5 269.28,284.09 ; 269.28,284.09 269.28,287.95
Net-(EMI232-Pad1): length 34.4
  Top w0.25: RN200.4 268.27,283.68 269.21,284.62 U202.3 ; EMI232.1 261.05,303.87 261.05,302.72 v1(262.07,301.69)
  Bottom w0.25: RN200.4 267.15,281.42 262.65,281.42 262.07,282.01 v1(262.07,301.69)
Net-(EMI233-Pad1): length 45.8
  Top w0.25: v1(258.42,302.26) 257.4,303.28 EMI233.1 ; U202.6 273.02,285.42 RN200.7 ; v1(256.78,294.78) 256.78,294.58 257.89,293.46 263.5,293.46 263.8,293.17 v1(265.38,293.17)
  Bottom w0.25: v1(256.78,294.78) 256.78,299.34 258.42,300.98 v1(258.42,302.26) ; 268.12,292.51 274.17,292.51 276.26,290.42 276.26,289.72 275.89,289.35 RN200.7 ; 268.12,292.51 267.72,292.51 ; 268.12,292.51 266.04,292.51 v1(265.38,293.17)
Net-(EMI234-Pad1): length 17.8
  Top w0.25: RN200.6 272.4,283.5 272.4,289.16 273.05,289.81 273.05,291.48 273.21,291.48 ; U202.11 273.02,293.4 v1(272.85,293.57) ; v1(269.54,294.79) 268.2,296.14 EMI234.1
  Bottom w0.25: v1(269.54,294.79) 271.63,294.79 v1(272.85,293.57)
Net-(EMI235-Pad1): length 18.4
  Top w0.25: U202.14 269.21,293.95 268.99,294.18 266.21,294.18 EMI235.1 ; 269.4,291.48 269.24,291.48 269.24,289.81 268.57,289.14 268.57,285.38 RN200.3
Net-(EMI236-Pad1): length 32.2
  Top w0.25: v1(263.8,294.64) 260.96,294.64 260.96,296.08 EMI236.1 ; RN200.8 278.43,292.61 277.51,293.53 v1(274.22,293.53) 274.22,292.01 U202.10
  Bottom w0.25: v1(274.22,293.53) 272.23,295.52 264.68,295.52 v1(263.8,294.64)
Net-(EMI237-Pad1): length 39.4
  Top w0.25: RN200.9 280.97,293.37 279.81,294.54 272.14,294.54 271.43,293.84 271.41,293.84 ; 271.41,293.84 271.56,293.98 ; 271.41,293.84 v1(271.26,293.69) 270.48,292.91 U202.13 ; v1(264.57,293.93) 264.55,293.91 258.08,293.91 257.51,294.49 EMI237.1
  Bottom w0.25: v1(271.26,293.69) 269.18,293.69 268.95,293.91 264.58,293.91
Net-(EMI310-Pad2): length 8.6
  Top w0.25: 200.91,288.04 201.09,288.04 ; EMI310.2 196.52,294.26
  Top w0.457: EMI310.2 196.49,291.19 198.88,288.8 R310.1
Net-(EMI320-Pad1): length 3.5
  Top w0.7: EMI320.1 250.44,266.19 v1(250.95,266.7)
  Bottom w0.7: F3.1 v1(250.95,266.7)
Net-(EMI321-Pad1): length 5.3
  Top w0.7: EMI321.1 249.94,262.89 v1(251.46,261.37)
  Bottom w0.7: F4.1 250.7,262.13 v1(251.46,261.37)
Net-(EMI332-Pad2): length 30.6
  Top w0.25: EMI332.2 206.25,303.53 206.81,302.97 v1(207.77,302.97) ; v1(208.33,292.75) 208.33,291.8 219.99,291.8 F2.2
  Bottom w0.25: v1(207.77,302.97) 208.33,302.41 v1(208.33,292.75)
Net-(EMI333-Pad2): length 45.9
  Top w0.25: v1(177.24,277.22) 177.6,276.86 R306.1 ; EMI333.2 199.36,304.82 195.17,300.63 v1(190.3,300.63)
  Bottom w0.25: v1(177.24,277.22) 178.78,278.75 178.78,296.18 183.24,300.63 v1(190.3,300.63)
Net-(FB101-Pad1): length 39
  Top w0.25: X2.3 170.93,121.76 182.62,121.76 X1.8 ; FB101.1 190.91,141.8 v1(187.28,141.8)
  Bottom w0.25: X1.8 186.33,125.48 186.33,140.84 187.26,141.77
Net-(FB101-Pad2): length 65.5
  Top w0.25: 142.35,138.29 142.35,135.55 142.66,135.24 146.68,135.24 148.41,133.51 160.47,133.51 161.09,134.13 ; U109.13 142.35,138.74 141.7,139.38 140.34,139.38 139.81,138.85 U109.11 U109.10 ; 161.09,134.13 169.27,142.31 185.59,142.31 188.18,144.9 FB101.2 191.18,144.87 ; 161.09,134.13 160.94,133.98 ; 139.81,136.99 139.81,138.39 140.03,138.61
